# KiCad board polygonus-Shortage-Version.kicad_pcb (continued)
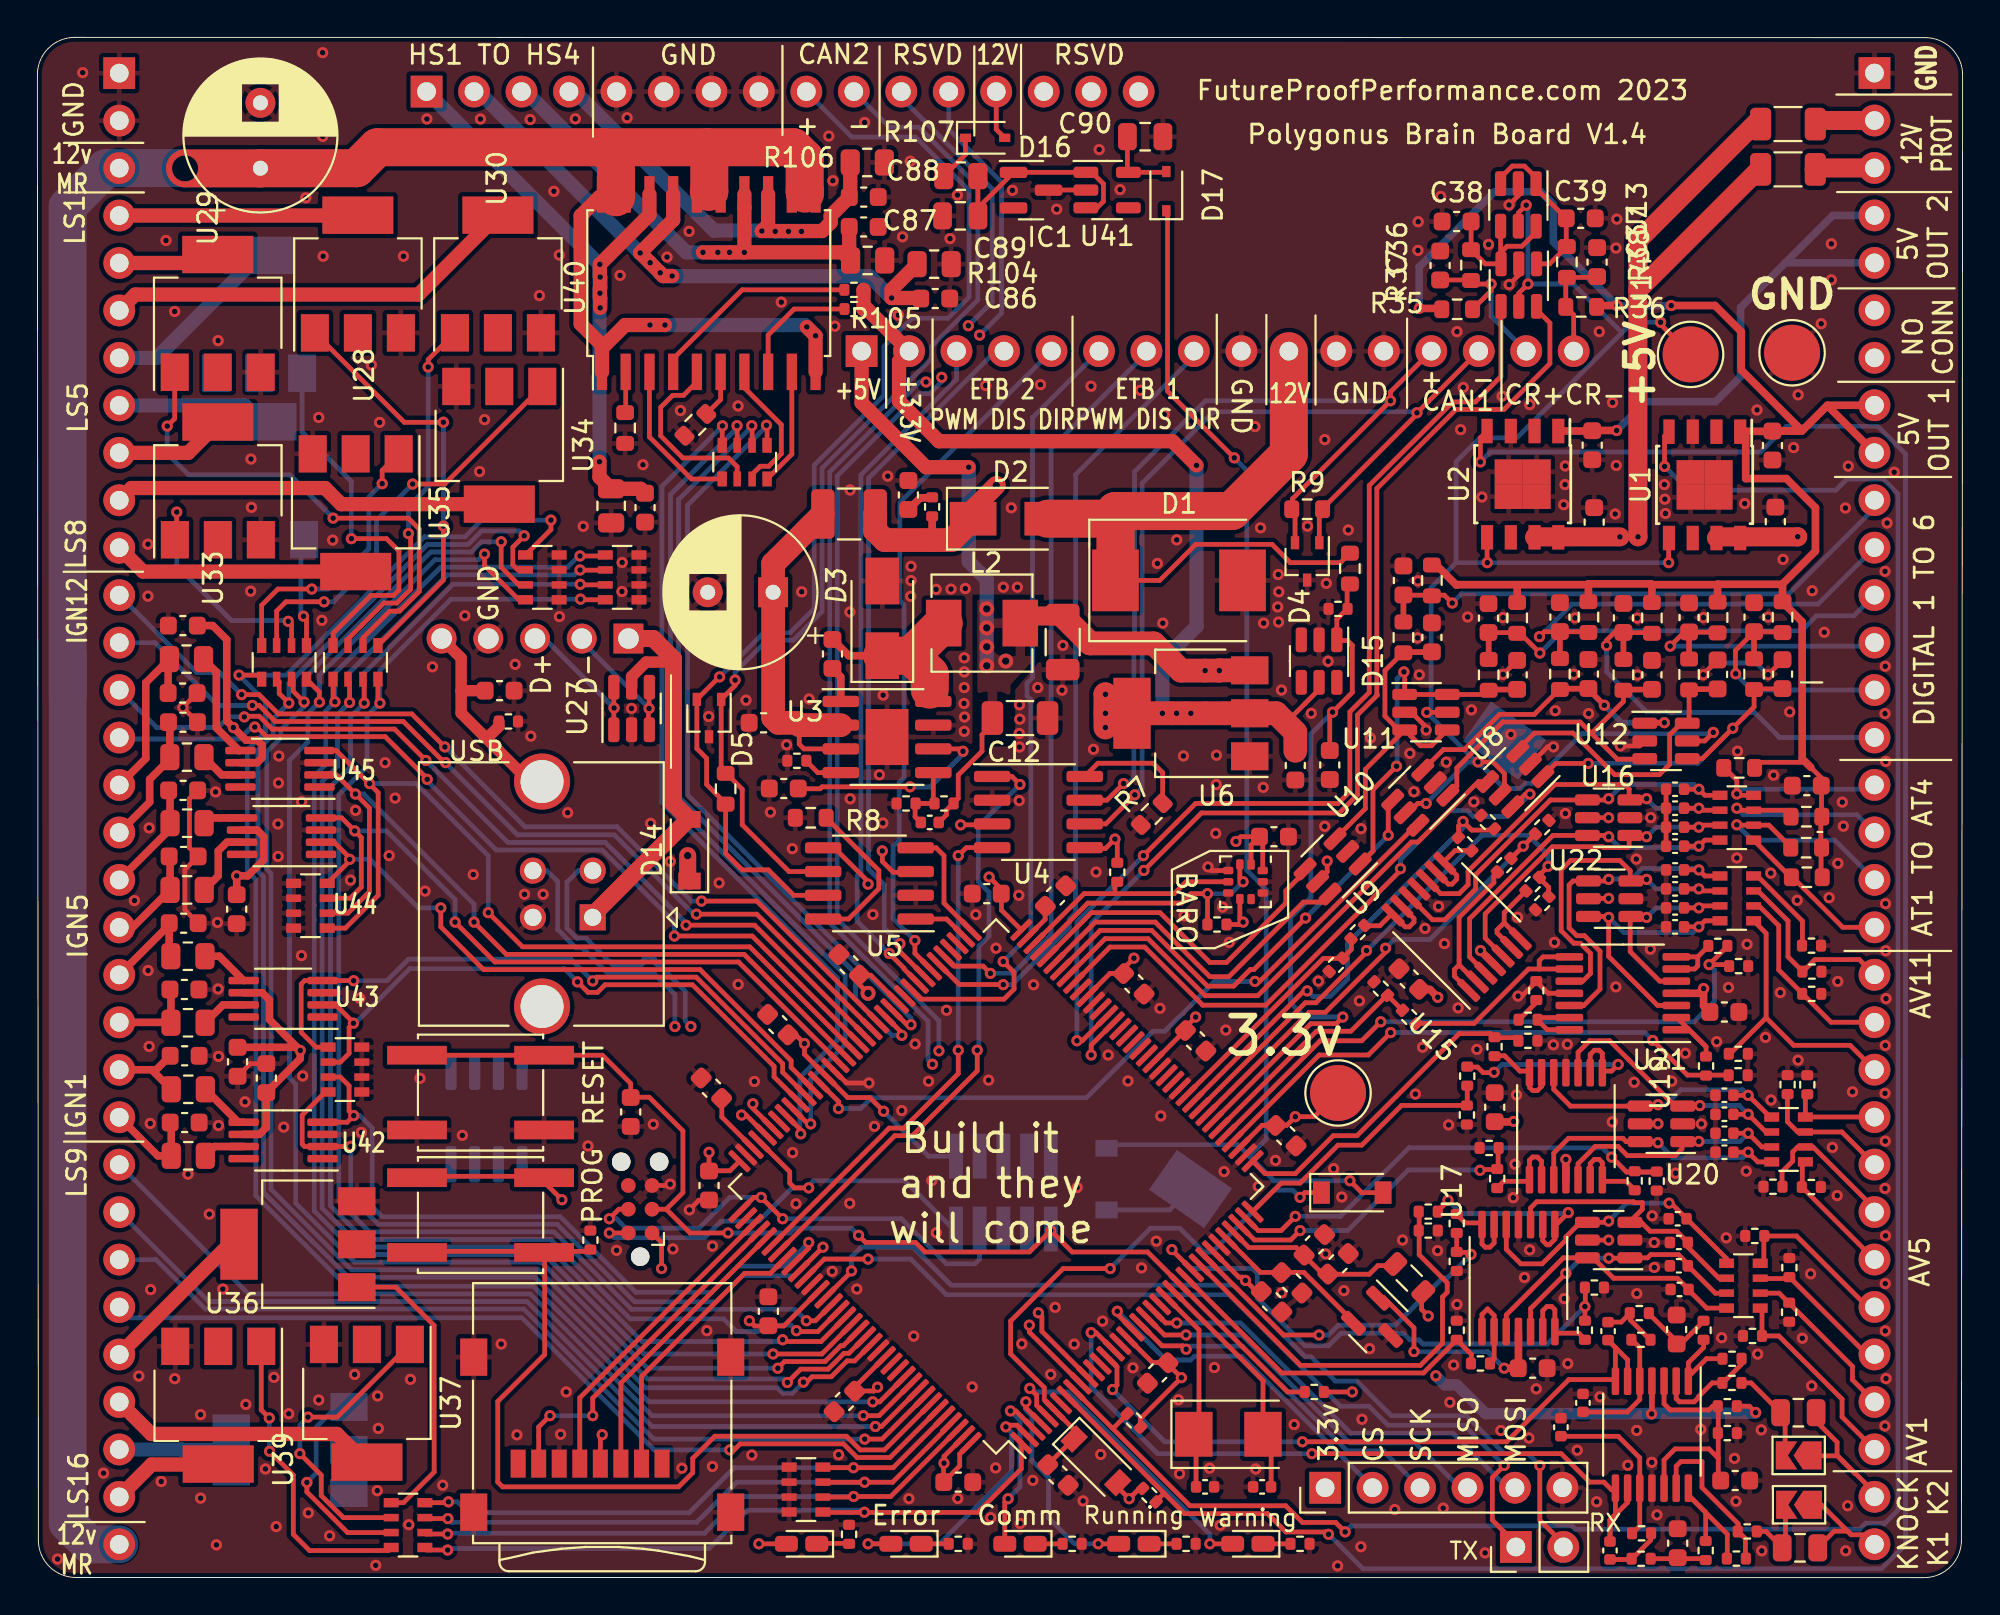
[diagram p0: board, top side]
## Routing (per net, layer and track width the routed paths; a pad name or vN(x,y) marks a point on that pad's centre or on a via; arc(x,y) is an arc through that point) (continued)
Net-(RN8-Pad5): length 5.9
  Top w0.254: v1(14.24,51.46) 14.4,51.29 RN8.5
  Bottom w0.254: v1(14.24,51.46) 14.1,51.59 14.1,55.39 U32.1
Net-(RN8-Pad6): length 13
  Top w0.254: RN8.6 13.6,51 v1(13.42,51.18) ; v1(7.46,57.03) 7.46,55.65 U33.1
  Bottom w0.254: v1(7.46,57.03) 7.46,54.16 10.39,51.22 13.38,51.22 v1(13.42,51.18)
Net-(RN8-Pad7): length 22.3
  Top w0.254: RN8.7 12.8,51.73 13.3,52.23 15.34,52.23 v1(15.34,52.23) ; U34.1 21.79,58.53 v1(20.08,58.53)
  Bottom w0.254: v1(15.34,52.23) 15.84,52.23 18.14,54.52 18.14,56.59 v1(20.08,58.53)
Net-(RN8-Pad8): length 14.9
  Top w0.254: RN8.8 12,52.04 12.87,52.91 v1(14.68,52.91) ; U35.1 18.45,59.26 v1(18.45,58.55)
  Bottom w0.254: v1(14.68,52.91) 15.57,52.91 17.73,55.07 17.73,57.83 v1(18.45,58.55)
Net-(RN10-Pad5): length 15.8
  Top w0.254: U36.1 19.18,15.54 21.23,13.49 21.23,5.65 19.59,4.01 RN10.5
Net-(RN10-Pad6): length 16.1
  Top w0.254: v1(14.48,8.59) 16.04,8.59 U37.1 ; RN10.6 16.37,3.21 15.19,4.39 15.19,5.49 v1(14.04,6.64)
  Bottom w0.254: v1(14.48,8.59) 14.04,8.16 v1(14.04,6.64)
Net-(RN10-Pad7): length 11.3
  Top w0.254: v1(14.42,5.1) 14.42,4.59 16.59,2.41 RN10.7
  Bottom w0.254: U38.1 16,9.13 14.91,8.05 14.91,5.59 v1(14.42,5.1)
Net-(RN10-Pad8): length 16.4
  Top w0.254: v1(12.42,6.76) 13.69,5.49 13.69,2.32 14.56,1.45 18.77,1.45 RN10.8 ; U39.1 11.98,8.98 v1(12.41,8.54)
  Bottom w0.254: v1(12.42,6.76) 12.41,6.78 v1(12.41,8.54)
Net-(RN11-Pad5): length 8.3
  Top w0.254: RN11.5 34.99,58.8 32.75,61.05 U40.3
Net-(RN11-Pad6): length 10
  Top w0.254: RN11.6 37.44,59.46 36.98,59.92 34.53,59.92 33.35,61.11 33.35,62.64 33.99,63.28 34.57,63.28 35.29,64 U40.5
Net-(RN11-Pad7): length 7.5
  Top w0.254: U40.7 37.83,63.68 39.8,61.7 39.8,60.15 39.13,59.48 38.68,59.48 38.24,59.05 RN11.7
Net-(RN11-Pad8): length 6.3
  Top w0.254: RN11.8 40.37,60.13 U40.9

## Copper pours and planes (outline as drawn; the poured copper is in the pictures)
+3V3 on In2.Cu: 27.29,-0.06 75.29,-0.06 75.29,16.94 64.76,37.88 62.22,47.28 54.86,48.04 54.86,37.62 27.29,37.62
+5V on Top: 53.59,49.44 52.06,47.78 52.06,44.74 50.29,44.74 50.29,52.36 53.59,52.36
+5V on In2.Cu: 0.03,82.44 0.03,-0.06 26.29,-0.06 26.48,38.13 54.1,38.13 54.1,48.8 62.99,47.78 65.78,37.88 76.45,16.54 76.29,-0.06 102.96,-0.06 102.96,82.44
GND on Top: 102.87,-0.06 0.07,-0.06 -0.02,82.41 102.87,82.44 ; 1 cut-out
GND on Bottom: 102.96,-0.06 0.1,-0.06 0.1,82.44 102.96,82.44
GND on In1.Cu: 0.03,82.44 0.03,-0.06 102.96,-0.06 102.96,82.44

## Text on the board
B.Silkscreen: USB B | +
F.Silkscreen: 12v / MR | +5V | 12V | ETB 2 / PWM DIS DIR | ETB 1 / PWM DIS DIR | IGN12 | 12V / PROT | +3.3V | GND | Running | Warning | TX | RX | USB | HS1 TO HS4 | +  - | CAN2 | Error | RSVD | Comm | Polygonus Brain Board V1.4 | FutureProofPerformance.com 2023 | CAN1 | CR+CR- | LS1 | LS8 | IGN1 | LS9 | LS5 | IGN5 | LS16 | D+ | D- | PROG | RESET | 3.3v | CS | SCK | MISO | MOSI | AV1 | AV5 | AV11 | AT1 TO AT4 | 5V / OUT 2 | KNOCK / K1 K2 | 5V / OUT 1 | DIGITAL 1 TO 6 | NO / CONN | BARO | Build it / and they / will come
